# Altium PCB NANO33BLE_V2.0.PcbDoc (part 2 of 2)
Units mm, origin at the board's own origin, x right, y up, seen from the top; angles counter-clockwise.
Board outline 43.18 x 17.78 mm, 4 copper layers (Top, PWR, MID, Bottom), stack 0.925 mm thick; 59 components, 65 nets, 329 pads, 151 vias.
Unrouted connection lines stored in the file: 8.
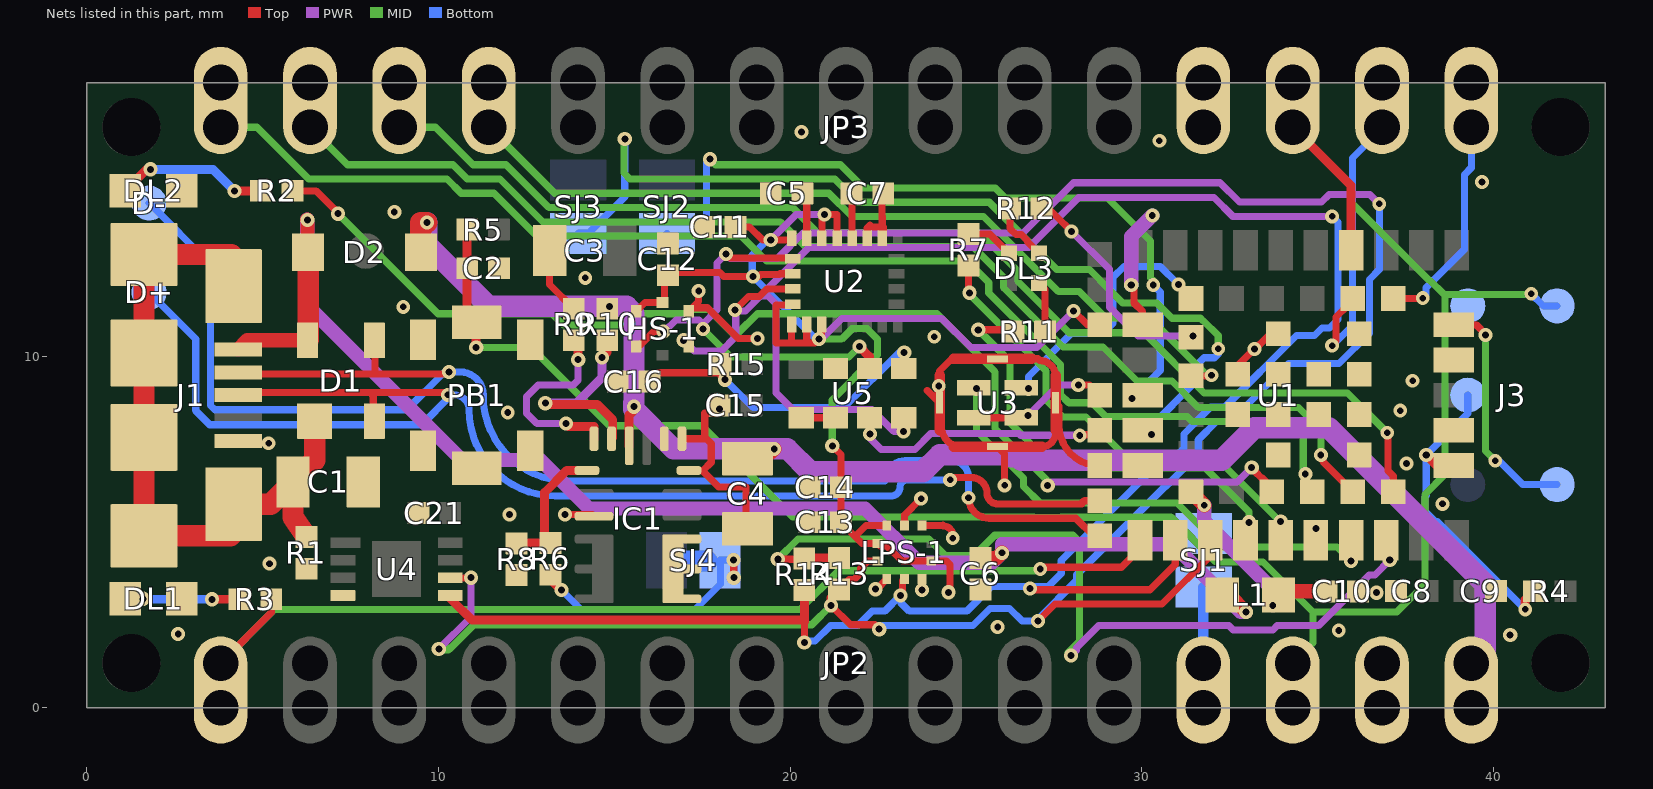
[diagram p4: the nets of this part, all layers, seen from the top]

## Via types
v1: diameter 0.403/0.403/0.403/0.403 (per signal layer), hole 0.2, Top to Bottom, 86 vias
v2: diameter 0.393/0.393/0.393/0.393 (per signal layer), hole 0.19, Top to Bottom, 65 vias

## Nets (pads, with @x,y where several pads share a name; then routed paths per layer and width w, separated by ;. In a path a pad name is that pad's centre, name@x,y a point inside that pad or via, vN(x,y) a via of type N, cw(c..) or ccw(c..) an arc to the next point about the centre after c; other vN are vias at no path point) (continued)
D9~: JP3.12 U1.44 | length 24.1
  Top w0.203: U1.44@31.4,9.44 31.978,9.44 31.98,9.443 v2(31.98,9.455)
  MID w0.203: JP3.12@11.43,16.51 13.31,14.63 21.1,14.63 21.76,13.971 25.496,13.971 27.627,11.839 28.222,11.839 28.977,11.085 30.225,11.085 31.855,9.455 v2(31.98,9.455)
D10~: JP3.13 U1.36 | length 33.6
  Top w0.203: v2(36.978,7.821) 37,7.8 37,7.209 36.999,7.208 36.999,6.742 37.15,6.591 U1.36@37.15,6.14
  MID w0.203: JP3.13@8.89,16.51 9.921,16.51 10.988,15.443 11.922,15.443 13.141,14.224 20.075,14.224 20.475,13.824 20.475,13.815 20.772,13.519 25.373,13.519 26.477,12.414 26.477,12.121 27.932,10.666 30.06,10.666 31.773,8.954 31.947,8.954 31.95,8.95 35.85,8.95 v2(36.978,7.821)
GND: C1.2 C2.2 C3.2 C4.2 C5.1 C6.1 C7.1 C8.2 C9.1 C10.1 C11.1 C12.1 C13.1 C14.1 C15.2 C16.2 C21.2 DL1.C DL2.C HS-1.P$5.GND IC1.3 IC1.12 IC1.13 IC1.14 J1.5 J3.5 JP2.14 JP3.4 LPS-1.3 LPS-1.5 LPS-1.8 LPS-1.9 PB1.1 PB1.2 PB1.3 PB1.4 PB1.5 R1.1 R8.1 R9.1 U1.6 U1.12 U1.14 U1.26 U1.30 U1.53 U1.GND@1 U1.GND@2 U1.GND@3 U1.GND@4 U1.GND@5 U1.GND@6 U1.GND@7 U1.GND@8 U1.GND@9 U1.GND@10 U1.GND@11 U1.GND@12 U2.19 U2.20 U3.GND U3.GND@2 U3.GND@3 U3.GND@4 U4.4 U5.6 | length 38.2
  Top w0.203: C3.2@13.163,13 13.163,12.038 R9.1@13.85,11.35 ; v2(13.6,5.5) 14.375,5.5 IC1.3@14.425,5.45 ; IC1.13@16.925,7.65 17.575,7.65 ; IC1.12@17.125,6.75 17.502,6.75 ; v2(17.4,11.85) 17.4,11.55 HS-1.P$5.GND@17.125,11.275 17.225,11.375 17.651,11.375 18.526,10.5 v2(19.075,10.5) ; C15.2@18,8.6 v1(18,8.5) 17.875,8.375 17.575,8.375 17.575,7.65 ; C4.2@18.788,5.463 C4.2@18.788,5.088 18.75,5.125 18.75,6.283 17.969,6.283 17.502,6.75 ; U2.20@22.195,13.35 22.195,13.645 22.275,13.725 22.325,13.675 22.65,13.675 22.65,13.336 22.615,13.301 22.615,13.975 ; v1(22.425,3.375) 22.462,3.375 LPS-1.3@22.75,3.662 ; U2.19@22.625,13.35 22.625,13.965 22.615,13.975 ; C7.1@22.65,14.625 22.615,14.59 22.615,13.975 ; LPS-1.9@23.25,5.187 23.25,5.475 v2(23.725,5.95) ; LPS-1.8@23.75,5.187 24.338,5.187 ccw(c24.338,5.2) 24.35,5.2 24.35,5.175 cw(c24.35,4.9) 24.625,4.9 v2(24.625,4.825) ; 23.9,9.025 24.25,8.675 ; v2(26.1,6.325) 26.1,7.225 U3.GND@25.9,7.425 ; U1.53@28.8,6.89 28.785,6.89 cw(c28.785,8.025) 27.65,8.025 27.65,8.575 27.55,8.675 ; v1(29.7,12.025) 29.774,11.951 29.774,11.517 30.025,11.266 U1.26@30.025,10.89 ; 32.73,9.49 32.73,9.73 v1(33.2,10.2) 33.311,10.311 33.333,10.311 33.626,10.605 33.626,10.626 33.64,10.64 33.88,10.64 ; 17.502,6.75 17.525,6.75 17.758,6.983 17.758,7.517 17.625,7.65 17.575,7.65 ; 24.25,8.675 ccw(c24.3,8.675) 24.3,8.625 24.3,8 ccw(c24.875,8) 24.875,7.425 U3.GND@25.9,7.425 ; 24.25,8.675 24.25,9.575 24.55,9.875 24.8,9.875 cw(c24.85,9.875) 24.85,9.925 25.9,9.925 27.05,9.925 27.1,9.875 cw(c27.1,9.425) 27.55,9.425 27.55,8.675 ; U3.GND@25.9,7.425 27.15,7.425 ccw(c27.15,7.825) 27.55,7.825 27.55,8.675
  PWR w0.406: v1(29.7,12.025) 29.7,13.4 v2(30.3,14)
  other v1: 40.475,2.075 36.675,3.275 23.75,3.35 34.95,5.1
  other v2: 2.6,2.1 35.6,2.2 25.9,2.3 5.2,4.1 12.025,5.5 38.55,5.8 37.525,6.95 5.175,7.525 11.975,8.4 37.35,8.45 24.225,9.15 37.7,9.3 24.1,10.55 9,11.4 14.175,12.225 8.75,14.1 39.675,14.95 30.5,16.125 20.325,16.375
INT_APDS: U1.52 U5.2 | length 7.5
  Top w0.203: U5.2@22.26,8.25 22.26,7.805 v1(22.275,7.79) ; v2(28.234,7.742) 28.234,7.765 28.675,7.765 U1.52@28.8,7.89
  PWR w0.203: v1(22.275,7.79) 22.275,7.665 22.59,7.35 23.55,7.35 24,7.8 26.5,7.8 26.55,7.75 28.226,7.75 v2(28.234,7.742)
LB: R12.1 U1.43 | length 6.5
  Top w0.203: R12.1@27.15,14.2 27.35,14.2 27.792,13.758 ; 27.793,13.758 v1(28.005,13.546) ; U1.43@31.4,10.54 31.426,10.54 v1(31.456,10.57)
  PWR w0.203: v1(28.005,13.546) 29.08,12.471 29.08,11.39 29.9,10.57 v1(31.456,10.57)
LG: R11.1 U1.4 | length 12.7
  Top w0.203: v1(25.35,10.75) 26.3,10.75 R11.1@26.35,10.7
  Top w0.254: U1.4@32.95,4.765 32.95,5.175 v1(33.05,5.275)
  MID w0.203: v1(25.35,10.75) 26.258,9.842 26.258,8.099 27.25,7.106 28.235,7.106 28.483,6.858 28.48,6.855 28.509,6.826 31.799,6.826 33.05,5.575 v1(33.05,5.275)
LR: R7.1 U1.5 | length 13.4
  Top w0.203: R7.1@25.075,12.575 25.075,11.825 v1(25.1,11.8) ; U1.5@33.95,4.765 v1(33.95,5.292)
  MID w0.203: v1(25.1,11.8) 25.1,11.76 27.281,9.579 27.281,8.865 27.275,8.859 27.275,8.75 27.758,8.267 28.418,8.267 29.452,7.233 31.992,7.233 33.941,5.284 v1(33.95,5.292)
MIC_PWR: U1.51 U3.1 U3.2 | length 4.1
  Top w0.203: U3.1@25.225,8.25 U3.2@26.575,8.25 26.706,8.25 v1(26.764,8.309) ; v1(28.194,9.18) 28.51,9.18 U1.51@28.8,8.89
  PWR w0.203: v1(26.764,8.309) 26.764,8.311 27.633,9.18 v1(28.194,9.18)
MISO~: JP3.15 U1.34 | length 36.8
  Top w0.203: v2(34.65,6.65) 34.65,6.34 U1.34@34.85,6.14
  MID w0.203: JP3.15@3.81,16.51 4.841,16.51 6.314,15.037 10.245,15.037 10.651,14.63 11.585,14.63 12.805,13.411 18.623,13.411 19.328,12.706 25.036,12.706 25.649,12.092 25.649,11.799 27.688,9.761 27.688,8.912 27.926,8.674 28.586,8.674 28.976,8.284 31.293,8.284 31.439,8.137 34.288,8.137 34.589,7.836 34.589,6.711 v2(34.65,6.65)
MOSI: JP3.14 U1.35 | length 34.7
  Top w0.203: v2(35.091,7.19) 35.1,7.2 35.15,7.2 35.15,7 36,6.15 U1.35@36,6.14
  MID w0.203: JP3.14@6.35,16.51 7.417,15.443 10.413,15.443 10.82,15.037 11.754,15.037 12.973,13.818 19.732,13.818 20.438,13.112 25.204,13.112 26.071,12.246 26.071,11.953 27.763,10.26 28.9,10.26 29.864,9.296 30.855,9.296 31.608,8.544 34.456,8.544 35.091,7.909 v2(35.091,7.19)
N$1: C1.1 D1.1 J1.6 J1.7 J1.8 J1.9 J1.10 J1.11 R1.2 | length 20.5
  Top w0.61: J1.11@4.18,11.99 4.18,12.78 4.2,12.8 4.11,12.89 J1.10@1.63,12.89 J1.9@1.63,10.09 J1.8@1.63,7.69 J1.7@1.63,4.89 4.09,4.89 4.2,5 4.18,5.02 J1.6@4.18,5.79 5.232,5.79 C1.1@5.867,6.425 ; R1.2@6.25,4.857 5.867,5.425 C1.1@5.867,6.425 ; D1.1@6.48,8.15 6.48,7.038 C1.1@5.867,6.425
N$2: DL2.A R2.1 | length 4.4
  Top w0.254: DL2.A@1.1,14.7 1.712,15.312 v1(1.813,15.312) ; v1(4.2,14.7) R2.1@4.95,14.7
  Bottom w0.254: v1(1.813,15.312) 3.587,15.312 v1(4.2,14.7)
N$3: DL1.A R3.1 | length 3.3
  Top w0.254: DL1.A@1.1,3.1 v1(1.6,3.1) ; v1(3.563,3.088) R3.1@4.35,3.088
  Bottom w0.254: v1(1.6,3.1) 1.612,3.088 v1(3.563,3.088)
N$4: C5.2 U2.24 | length 1.3
  Top w0.203: C5.2@20.35,14.625 20.475,14.5 U2.24@20.475,13.35
N$5: IC1.1 R6.1 R8.2 | length 3.9
  Top w0.254: R8.2@12.225,4.675 12.346,4.688 R6.1@13.187,4.688 13.018,4.857 13.018,6.118 13.65,6.75 IC1.1@14.225,6.75
N$6: IC1.18 R9.2 | length 5.7
  Top w0.254: v1(13.625,8.088) 13.713,8 14.425,8 IC1.18@14.425,7.65 ; R9.2@13.85,10.45 13.975,10.325 v1(13.975,9.9)
  PWR w0.203: v1(13.625,8.088) 12.8,8.088 12.509,8.378 12.509,8.848 12.837,9.175 13.827,9.175 13.968,9.317 13.968,9.556 13.975,9.563 v1(13.975,9.9)
N$7: IC1.17 R10.1 | length 5.7
  Top w0.254: v1(13.041,8.663) 13.074,8.63 14.518,8.63 14.957,8.191 14.957,7.682 IC1.17@14.925,7.65 ; v1(14.65,9.962) 14.8,10.112 R10.1@14.8,10.45
  PWR w0.254: v1(13.041,8.663) 13.926,8.663 14.65,9.388 v1(14.65,9.962)
N$8: C7.2 U2.21 | length 1.3
  Top w0.203: C7.2@21.75,14.625 21.765,14.61 U2.21@21.765,13.35
N$9: U5.3 U5.4 | length 1
  Top w0.203: U5.4@20.32,8.25 U5.3@21.29,8.25
N$10: R2.2 U1.33 | length 33.8
  Top w0.203: R2.2@5.85,14.7 6.525,14.7 7.15,14.075 v1(7.15,14.05) ; v1(33.125,6.837) 33.225,6.737 33.225,6.714 33.404,6.535 33.427,6.535 33.7,6.262 U1.33@33.7,6.14
  PWR w0.203: v1(27.325,6.325) 27.424,6.424 32.712,6.424 v1(33.125,6.837)
  MID w0.203: v1(7.15,14.05) 9.994,11.206 13.233,11.206 13.555,10.883 15.168,10.883 15.49,11.206 17.089,11.206 17.214,11.331 17.683,11.331 18.366,10.649 18.515,10.649 19.072,11.206 24.178,11.206 25.83,9.554 25.83,7.945 27.325,6.45 v1(27.325,6.325)
N$11: DL3.3 R12.2 | length 1.7
  Top w0.203: R12.2@26.25,14.2 26.25,13.625 26.42,13.455 26.576,13.455 26.755,13.276 26.755,13.245 DL3.3@27.075,12.925
N$12: DL3.2 R7.2 | length 1.4
  Top w0.203: R7.2@25.075,13.475 25.675,13.475 DL3.2@26.225,12.925
N$13: DL3.4 R11.2 | length 1.4
  Top w0.203: DL3.4@27.075,12.075 27.25,11.9 R11.2@27.25,10.7
N$14: JP2.12 SJ1.2 | length 2.2
  Bottom w0.305: JP2.12@31.75,1.27 31.75,3.425 SJ1.2@31.762,3.438
N$15: C16.1 R15.1 U5.8 | length 9.4
  Top w0.203: C16.1@16,9.275 16,9.284 16.242,9.527 18.035,9.527 R15.1@18.025,9.775 18.025,9.456 v1(18.15,9.331) ; U5.8@23.23,9.65 23.23,10.089 v1(23.246,10.104)
  Bottom w0.203: v1(18.15,9.331) 18.944,8.537 21.537,8.537 23.104,10.104 v1(23.246,10.104)
N$16: IC1.7 IC1.8 IC1.9 IC1.20 R6.2 SJ4.2 | length 7.7
  Top w0.203: v1(18.389,4.2) 18.4,4.189 v1(18.4,3.7)
  Top w0.254: R6.2@13.187,3.787 13.187,3.662 v1(13.5,3.35) ; IC1.20@16.675,3.95 IC1.8@17.125,3.95
  Bottom w0.203: v1(13.5,3.35) 14.055,2.795 17.295,2.795 18.025,3.525 SJ4.2@18.025,4.2 ; SJ4.2@18.012,4.2 SJ4.2@18.025,4.2 ; SJ4.2@18.325,4.175 18.364,4.175 v1(18.389,4.2) SJ4.2@18.025,4.2
N$17:  | length 0.9
  Bottom w0.61: 16.75,4.175 17.625,4.175
NFC1: SJ2.1 U1.28 | length 21.9
  Top w0.203: v1(29.725,8.79) 29.875,8.875 30,8.875 U1.28@30.025,8.89
  MID w0.203: v1(17.725,15.6) 17.882,15.443 21.437,15.443 22.096,14.783 25.832,14.783 26.116,14.5 29.025,14.5 30.25,13.275 30.25,12.225 30.325,12.15 v2(30.325,12.025)
  Bottom w0.203: SJ2.1@16.5,13.488 16.563,13.425 17.25,13.425 17.625,13.8 17.625,15.5 v1(17.725,15.6) ; v1(29.725,8.79) 30.525,9.59 30.525,11.825 v2(30.325,12.025)
NFC2: SJ3.1 U1.29 | length 27.3
  Top w0.203: U1.29@30.025,7.89 30.125,7.875 v1(30.28,7.77)
  MID w0.203: v1(15.3,16.175) 15.275,16.175 15.275,15.205 15.443,15.037 21.268,15.037 21.928,14.377 25.664,14.377 27.581,12.46 28.511,12.46 29.098,11.873 29.459,11.511 30.425,11.511 30.86,11.076 31.666,11.076 31.725,11.018 31.743,11.018 32.174,10.586 v2(32.174,10.211)
  Bottom w0.203: SJ3.1@13.975,13.488 13.985,13.498 14.276,13.498 15.3,14.522 v1(15.3,16.175) ; v1(30.28,7.77) 30.28,8.02 31.479,9.219 31.479,9.662 31.773,9.956 32.069,9.956 32.174,10.061 v2(32.174,10.211)
PDMCLK: U1.42 U3.3 | length 7.7
  Top w0.203: U3.3@26.575,9.1 26.6,9.075 v1(26.775,9.075) ; v1(31.04,12.035) 31.023,12.018 U1.42@31.4,11.64
  Bottom w0.203: v1(26.775,9.075) 26.775,9.425 28,10.65 28.9,10.65 29.183,10.933 29.183,12.242 29.492,12.551 30.524,12.551 v1(31.04,12.035)
PDMDIN: U1.7 U3.4 | length 14.2
  Top w0.203: U3.4@25.225,9.1 25.275,9.1 v1(25.3,9.075) ; v1(35.95,4.175) U1.7@35.95,4.765
  MID w0.203: v1(25.3,9.075) 25.3,7.875 26.638,6.538 26.638,6.296 27.115,5.819 27.535,5.819 27.541,5.825 30.65,5.825 31.003,5.825 32.253,4.575 35.55,4.575 v1(35.95,4.175)
R_PULLUP: R13.2 R14.2 U1.8 | length 25.4
  Top w0.203: v1(19.65,4.225) 20.38,4.225 R14.2@20.405,4.25 ; U1.8@36.95,4.765 36.95,4.3 v1(37.05,4.2)
  Top w0.254: R14.2@20.405,4.25 20.418,4.263 R13.2@21.395,4.263
  PWR w0.203: v1(27.99,1.485) 28.143,1.639 28.143,1.712 28.768,2.337 32.482,2.337 32.602,2.217 33.728,2.217 33.848,2.337 35.021,2.337 36.465,3.781 36.631,3.781 v1(37.05,4.2)
  MID w0.203: v1(19.65,4.225) 20.225,4.8 23.941,4.8 24.417,4.324 25.232,4.324 25.817,4.909 28.041,4.909 28.225,4.725 28.225,1.9 27.9,1.575 v1(27.99,1.485)
RESETN: C2.1 J3.6 JP2.13 JP3.3 PB1.6 R5.1 U1.19 | length 58.2
  Top w0.254: R5.1@10.82,13.6 C2.1@10.82,12.5 10.82,11.235 PB1.6@11.09,10.965 11.075,10.95 v1(11.075,10.25) ; JP3.3@34.29,16.51 35.95,14.85 U1.19@35.95,13.015
  MID w0.203: v1(11.075,10.25) 12.64,10.25 14.87,8.02 17.486,8.02 20.075,5.431 26.928,5.431 26.947,5.412 27.703,5.412 27.71,5.419 30.835,5.419 32.085,4.169 32.132,4.169 32.15,4.15 33.446,4.15 34.872,2.725 ; JP2.13@34.29,1.27 34.872,1.852 34.872,2.725 ; JP3.3@34.29,16.51 35.95,14.85 35.95,14.376 38.175,12.151 38.195,12.151 38.589,11.758 38.616,11.758 ; v2(41.075,11.775) 41.05,11.75 41.042,11.758 38.616,11.758 ; 34.872,2.725 37.25,2.725 38.05,3.525 38.05,5.591 38.049,5.592 38.049,6.07 38.616,6.638 38.616,11.758
  Bottom w0.203: v2(41.075,11.775) 41.42,11.43 J3.6@41.808,11.43
RX: JP3.2 U1.38 | length 8.4
  Top w0.203: v2(35.412,10.3) 35.525,10.413 35.525,11.116 35.704,11.295 35.72,11.295 36,11.575 U1.38@36,11.64
  Bottom w0.203: v2(35.412,10.3) 35.987,10.875 35.987,15.638 36.83,16.48 JP3.2@36.83,16.51
SCK: JP2.1 R3.2 U1.1 | length 30.1
  Top w0.203: JP2.1@3.81,1.27 5.25,2.71 R3.2@5.25,3.088 ; v2(27.112,3.95) 27.163,4 29.423,4 29.95,4.528 U1.1@29.95,4.765
  MID w0.203: JP2.1@3.81,1.27 5.334,2.794 20.28,2.794 21.386,3.9 27.062,3.9 v2(27.112,3.95)
SCL1: HS-1.P$2.SCL/SPC LPS-1.2 R13.1 U1.3 U2.2 U4.6 U5.7 | length 78.6
  Top w0.203: U4.6@10.338,3.695 10.925,3.695 v1(10.925,3.7) ; HS-1.P$2.SCL/SPC@15.625,10.275 15.7,10.275 16.125,10.7 v1(16.4,10.7) ; v1(18.175,12.9) 18.28,12.795 20.05,12.795 U2.2@20.075,12.77 ; v1(21.164,2.912) 21.714,2.362 22.408,2.362 v1(22.533,2.237) ; R13.1@21.395,3.362 21.68,3.648 21.826,3.648 22.01,3.832 22.01,3.977 22.207,4.175 LPS-1.2@22.487,4.175 ; v1(27.05,2.467) 27.533,2.95 30.575,2.95 31.95,4.325 U1.3@31.95,4.765
  Top w0.254: v1(21.164,2.912) 21.164,3.132 R13.1@21.395,3.362 ; v1(21.975,10.275) 21.975,10.267 22.255,9.987 22.255,9.655 U5.7@22.26,9.65
  PWR w0.203: v1(10.012,1.675) 10.925,2.587 v1(10.925,3.7) ; v1(16.4,10.7) 16.425,10.7 16.757,11.031 17.41,11.031 v1@17.523,10.918 ; v1(17.523,10.775) v1@17.523,10.918 ; v2(36.754,14.329) 36.491,14.591 35.32,14.591 35.11,14.381 32.777,14.381 32.228,14.931 28.057,14.931 26.625,13.5 20.366,13.5 19.648,12.781 18.294,12.781 v1(18.175,12.9) 17.924,12.648 17.924,11.318 v1@17.523,10.918
  MID w0.203: 10.275,1.675 10.326,1.675 11.013,2.362 20.614,2.362 v1(21.164,2.912) ; v1(17.523,10.775) 18.322,9.977 21.677,9.977 v1(21.975,10.275)
  MID w0.254: v1(10.012,1.675) 10.275,1.675
  Bottom w0.203: v1(22.533,2.237) 22.639,2.343 25.203,2.343 25.685,2.825 26.242,2.825 26.6,2.467 v1(27.05,2.467) 27.05,2.526 28.151,3.628 28.151,3.783 30.669,6.301 30.685,6.301 31.605,7.221 31.605,7.621 32.125,8.141 32.524,8.141 34.173,9.789 35.611,9.789 36.473,10.651 36.473,12.182 36.754,12.462 v2(36.754,14.329)
SDA1: HS-1.P$4.SDA/SDI/SDO LPS-1.4 R14.1 U1.2 U2.4 U4.5 U5.1 | length 71.7
  Top w0.203: U4.5@10.338,3.115 U4.5@10.4,3.052 ; v1(16.975,10.45) 17.125,10.45 HS-1.P$4.SDA/SDI/SDO@17.125,10.275 ; v1(18.43,11.312) 18.817,11.7 19.125,11.7 19.335,11.91 U2.4@20.075,11.91 ; v1(20.405,1.856) 20.405,2.6 ; v1(23.135,3.194) 23.2,3.259 23.2,3.612 LPS-1.4@23.25,3.662 ; v1(23.225,7.856) 23.23,7.861 U5.1@23.23,8.25 ; v1(26.818,3.394) 26.856,3.356 30.231,3.356 30.95,4.075 U1.2@30.95,4.765
  Top w0.254: U4.5@10.338,3.115 U4.5@10.338,3.195 ; U4.5@10.4,3.052 10.959,2.493 20.368,2.493 ; 20.367,2.493 20.405,2.455 20.405,2.6 R14.1@20.405,3.35
  PWR w0.203: v1(16.975,10.45) 17.275,10.15 18.05,10.15 18.455,10.555 18.455,11.288 v1(18.43,11.312) 18.43,11.288 18.729,11.288 19.154,11.712 ; v1(23.225,7.856) 22.95,7.856 22.328,8.478 20.081,8.478 19.6,8.959 19.6,11.481 19.369,11.712 19.154,11.712 ; v2(35.412,13.975) 32.584,13.975 32.051,14.508 28.208,14.508 26.794,13.094 20.535,13.094 19.154,11.712
  Bottom w0.203: v1(20.405,1.856) 20.394,1.856 20.35,1.9 20.711,1.9 21.148,2.337 21.917,2.337 22.33,2.749 22.691,2.749 v1(23.135,3.194) 23.135,3.005 23.391,2.749 25.026,2.749 25.725,3.449 v1@26.85,3.449 ; v1(26.818,3.394) 26.85,3.425 v1@26.85,3.449 ; v2(35.412,13.975) 35.581,13.806 35.581,11.043 35.339,10.801 35.123,10.801 34.908,10.586 34.395,10.586 32.356,8.547 31.957,8.547 31.199,7.789 31.199,7.389 30.667,6.857 30.376,6.857 27.709,4.191 27.709,3.82 27.338,3.449 v1@26.85,3.449
SWCLK: J3.3 R4.1 U1.11 | length 9.3
  Top w0.254: v1(38.088,7.187) 38.385,6.89 U1.11@38.875,6.89 ; v2(40.9,2.8) 40.9,3.068 R4.1@41.15,3.317
  Bottom w0.203: J3.3@39.268,8.89 39.268,8.368 v1(38.088,7.187) 38.088,6.046 38.049,6.008 38.049,5.592 38.342,5.299 38.401,5.299 v2(40.9,2.8)
SWDIO: J3.2 U1.15 | length 6.8
  Top w0.203: U1.15@38.875,10.89 39.51,10.89 39.775,10.625 v2(39.775,10.6)
  MID w0.203: v2(39.775,10.6) 39.775,7.3 v2(40.05,7.025)
  Bottom w0.203: v2(40.05,7.025) 40.157,7.025 40.832,6.35 J3.2@41.808,6.35
TX: JP3.1 U1.37 | length 6.3
  Top w0.203: U1.37@37.15,11.64 37.978,11.64 v2(37.987,11.65)
  Bottom w0.203: v2(37.987,11.65) 38.083,11.745 38.083,11.947 39.174,13.038 39.174,15.158 39.37,15.354 JP3.1@39.37,16.51
USB_N: D1.3 D-.X J1.2 U1.55 | length 42.8
  Top w0.203: J1.2@4.305,9.54 4.355,9.49 8.14,9.49 ; D1.3@8.18,10.45 8.2,10.43 8.2,9.55 8.14,9.49 ; v2(10.3,9.55) 10.24,9.49 8.14,9.49 ; v2(25.075,5.975) ccw(c25.66,5.975) 25.66,5.39 28.125,5.39 28.625,4.89 U1.55@28.8,4.89
  Bottom w0.203: D-.X@1.778,14.351 3.525,12.604 3.525,8.6 3.65,8.475 9.1,8.475 10.175,9.55 v2(10.3,9.55) 10.625,9.55 cw(c10.625,8.9) 11.275,8.9 11.275,8.875 ccw(c13.7,8.875) 13.7,6.45 22.7,6.45 cw(c23.275,6.45) 23.275,7.025 24.6,7.025 cw(c24.6,6.55) 25.075,6.55 v2(25.075,5.975)
USB_P: D1.2 D+.X J1.3 U1.54 | length 39.5
  Top w0.203: J1.3@4.305,8.89 4.38,8.965 8.06,8.965 ; D1.2@8.18,8.15 8.15,8.18 8.15,8.875 8.06,8.965 ; v2(10.275,8.9) 10.21,8.965 8.06,8.965 ; v2(24.55,6.483) cw(c24.617,6.483) 24.617,6.55 25.15,6.55 cw(c25.15,6.1) 25.6,6.1 ccw(c25.9,6.1) 25.9,5.8 28.3,5.8 cw(c28.39,5.8) 28.39,5.89 U1.54@28.8,5.89
  Bottom w0.203: D+.X@1.778,11.811 3.1,10.489 3.1,8.45 3.5,8.05 9.525,8.05 10.325,8.85 v2(10.275,8.9) 10.45,8.9 cw(c10.45,8.475) 10.875,8.475 ccw(c13.325,8.475) 13.325,6.025 22.875,6.025 ccw(c22.875,6.275) 23.125,6.275 cw(c23.333,6.275) 23.333,6.483 v2(24.55,6.483)
VBUS: C10.2 L1.2 SJ1.1 U1.31 | length 6.8
  Top w0.406: U1.31@31.4,6.14 31.4,6.137 v2(31.775,5.762) ; v2(33.725,2.913) 33.725,3.05 L1.2@33.888,3.213 33.987,3.312 C10.2@35.25,3.312
  PWR w0.406: v2(31.775,5.762) 31.775,5.312 33.725,3.362 v2(33.725,2.913)
  Bottom w0.305: SJ1.1@31.762,4.962 31.762,5.75 v2(31.775,5.762)
VDD_ENV: C11.2 C12.2 C13.2 C14.2 HS-1.P$1.VDD HS-1.P$6.CS LPS-1.1 LPS-1.6 LPS-1.10 U1.49 U2.1 U2.3 U2.5 U2.6 U2.7 U2.8 U2.22 U2.23 | length 41.4
  Top w0.203: HS-1.P$1.VDD@15.625,11.275 15.875,11.525 HS-1.P$6.CS@16.375,11.525 16.425,11.525 16.425,12.2 C12.2@16.525,12.3 16.6,12.375 18.009,12.375 18.116,12.268 v1(18.949,12.268) 19.118,12.268 19.167,12.316 19.69,12.316 19.714,12.34 19.712,12.341 20.074,12.341 U2.3@20.075,12.34 ; C11.2@18.45,13.675 18.85,13.675 19.225,13.3 v1(19.45,13.3) 19.995,13.3 U2.1@20.045,13.35 ; U2.6@20.045,10.9 20.045,10.38 ; U2.5@20.075,11.48 20.045,11.45 19.6,11.45 19.6,10.375 20.045,10.375 20.045,10.38 ; U2.7@20.475,10.9 20.475,10.375 ; U2.8@20.905,10.9 20.895,10.9 20.895,10.559 v1(20.82,10.483) 20.711,10.375 20.475,10.375 ; U2.23@20.905,13.35 20.905,13.974 20.969,14.038 v1(20.981,14.025) 21.335,14.025 U2.22@21.335,13.35 ; v1(21.2,7.45) 21.45,7.2 C14.2@21.45,6.275 C13.2@21.45,5.275 21.85,4.875 ; LPS-1.10@22.75,5.187 22.163,5.187 21.85,4.875 ; v1(24.503,3.285) 24.55,3.332 24.55,4.075 24.45,4.175 LPS-1.6@24.012,4.175 23.181,4.175 22.751,4.605 22.558,4.605 22.487,4.675 22.05,4.675 21.85,4.875 ; v1(28.06,11.285) 28.455,10.89 U1.49@28.8,10.89 ; 20.045,10.38 20.05,10.375 20.475,10.375
  PWR w0.203: v1(19.45,13.3) 20.175,14.025 v1(20.981,14.025) ; v1(20.82,10.483) 20.82,10.431 20.825,10.425 21.475,11.075 24.309,11.075 25.14,10.244 27.018,10.244 v1(28.06,11.285)
  MID w0.203: v1(20.82,10.483) 21.467,10.483 21.765,10.781 22.185,10.781 22.481,10.485 22.481,10.037 21.2,8.756 v1(21.2,7.45)
  Bottom w0.203: v1(19.45,13.3) 19.35,13.3 18.925,12.875 18.925,12.293 v1(18.949,12.268) 20.735,10.483 v1(20.82,10.483)
VIN: C4.1 D2.C IC1.16 JP2.15 R10.2 | length 43
  Top w0.203: v1@15.55,8.45 15.55,8.553 v1(15.56,8.563)
  Top w0.254: IC1.16@15.425,7.45 15.425,8.325 v1@15.55,8.45
  Top w0.406: R10.2@14.8,11.35 v1(14.863,11.412) ; C4.1@18.788,7.088 19.275,7.088 v2(19.55,7.362)
  Top w0.61: D2.C@9.505,12.95 9.505,13.8 v1(9.675,13.8)
  PWR w0.61: v1(9.675,13.8) 9.675,13.175 11.438,11.412 v1(14.863,11.412) 15.362,11.412 15.563,11.213 15.563,8.678 15.56,8.676 v1(15.56,8.563) 15.56,8.488 16.686,7.362 v2(19.55,7.362) 19.925,7.362 20.575,6.712 23.775,6.712 24.252,7.19 26.248,7.19 26.297,7.14 26.472,7.14 26.575,7.038 28.613,7.038 28.614,7.036 32.273,7.036 33.2,7.962 35.315,7.962 39.762,3.516 39.762,1.672 39.37,1.28 JP2.15@39.37,1.27
VUSB: C6.2 D1.4 D2.A J1.1 L1.1 | length 42.9
  Top w0.406: J1.1@4.305,10.19 4.565,10.45 D1.4@6.28,10.45 6.28,13.87 v1(6.275,13.875) ; C6.2@25.412,4.263 25.88,4.263 v2(26.025,4.407) ; L1.1@32.287,3.213 32.475,3.213 v2(32.963,2.725)
  Top w0.61: D1.4@6.28,10.45 6.295,10.465 D2.A@6.295,12.95
  PWR w0.406: v1(6.275,13.875) 6.275,11.438 10.662,7.05 12.903,7.05 14.282,5.671 22.129,5.671 23.675,4.125 25.742,4.125 v2(26.025,4.407) 26.025,4.65 30.887,4.65 32.812,2.725 v2(32.963,2.725)
pads on no net: FD1.P$1 HS-1.P$3.DRDY IC1.2 IC1.4 IC1.5 IC1.6 IC1.10 IC1.11 IC1.15 IC1.19 J1.4 LPS-1.7 U1.13 U1.32 U1.45 U1.46 U2.9 U2.10 U2.11 U2.12 U2.13 U2.14 U2.15 U2.16 U2.17 U2.18 U4.1 U4.2 U4.3 U4.7 U4.9

## Polygon pours and split planes (outlines as drawn)
GND on Bottom "Polygon_1_Net_GND" (solid, remove dead copper, pour order 2): -0.127,18.127 43.307,18.127 43.307,13.773 39.877,13.773 39.877,3.927 43.307,3.927 43.307,-0.127 -0.127,-0.127
N$16 on Top "Polygon_1_Net_N$16" (solid, remove dead copper, pour order 3): 16.569,2.898 19.127,2.898 19.239,3.01 19.239,4.614 18.14,4.614 17.74,5.014 16.423,5.014 16.423,4.54 16.41,4.528 16.41,3.022 16.5,2.933
GND on Top "Polygon_2_Net_GND" (solid, remove dead copper, pour order 4): -0.127,18.127 43.097,18.127 43.302,18.334 43.302,13.748 39.952,13.748 39.878,3.927 43.307,3.927 43.307,-0.127 -0.127,-0.127
GND on MID "Polygon_3_Net_GND" (solid, remove dead copper, pour order 0): -0.049,18.127 43.307,18.127 43.307,13.773 39.877,13.773 39.902,-0.127 -0.127,-0.127 -0.127,17.816
+3V3 on PWR "Polygon_1_Net_+3V3" (solid, remove dead copper, pour order 1): -0.127,18.127 43.307,18.127 43.307,13.773 39.877,13.773 39.877,3.927 43.307,3.927 43.307,3.025 43.307,0.025 43.307,-0.127 -0.127,-0.127

## Keep-outs
Top:
  lines w0.203: 23.5,5.125 23.5,5.35
Keep-Out Layer:
  the board outline again, w0.01

## Other copper
PWR:
  pour cut-out net 33: 20.275,12.975 22.75,12.975 22.75,11.05 20.275,11.05 20.275,12.975
Bottom:
  pour cut-out net 33: 20.3,12.975 22.75,12.975 22.75,11.05 20.3,11.05 20.3,12.975

## Silkscreen, mask and mechanical layers (free items; w line width, h text height)
Bottom Solder:
  lines w0.813: 16.6,4.175 17.925,4.175
Dimension:
  the board outline again, w0.01
bDocu:
  region: 3.675,8.625 3.675,13.625 8.675,13.625 8.675,8.625
test-probe:
  circle w0.61: c27.385,14.725 r0.2
  circle w0.61: c24.845,14.725 r0.2
  circle w0.61: c27.385,10.345 r0.2
  circle w0.61: c24.845,10.345 r0.2
  circle w0.61: c22.305,10.345 r0.2
  circle w0.61: c8.105,11.645 r0.2
  circle w0.61: c8.105,13.945 r0.2
  circle w0.61: c5.705,13.945 r0.2
  circle w0.61: c5.705,11.645 r0.2
  circle w0.61: c14.1,7.945 r0.2
  circle w0.61: c16.505,7.945 r0.2
  text "5V" at 23.05,25.6 h2.76 r90
  text "VIN(5V)" at 25.59,25.6 h2.76 r90
  text "VCC" at 28.13,25.6 h2.76 r90
  text "GND" at 30.67,25.6 h2.76 r90
  text "RESET" at 33.21,25.6 h2.76 r90
  text "14" at 35.75,25.6 h2.76 r90
  text "13" at 38.29,25.6 h2.76 r90
  text "12" at 40.83,25.6 h2.76 r90
  text "11" at 43.37,25.6 h2.76 r90
  text "10" at 45.91,25.6 h2.76 r90
  text "9" at 48.45,25.6 h2.76 r90
  text "8" at 50.99,25.6 h2.76 r90
  text "7" at 53.53,25.6 h2.76 r90
  text "6" at 56.07,25.6 h2.76 r90
  text "SWCLK" at 25.59,15.44 h2.76 r90
  text "SWDIO" at 28.13,15.44 h2.76 r90
  text "USB_5V" at 6,14.8 h2.76 r90
  text "USB_D-" at 9.1,14.7 h2.76 r90
  text "BATT+" at 14.9,8.6 h2.76 r90
  text "BATT-" at 17.4,8.6 h2.76 r90
  text "VTG" at 27.843,5.257 h2.76 r90
  text "JRST" at 25.303,4.052 h2.76 r90
  text "JGND" at 22.763,3.982 h2.76 r90
  text "USB_D+" at 9.1,1.1 h2.76 r90
  text "USB_GND" at 6.2,-1.3 h2.76 r90
  text "4" at 53.38,-1.612 h2.76 r90
  text "0" at 43.22,-1.615 h2.76 r90
  text "1" at 45.779,-1.617 h2.76 r90
  text "2" at 48.335,-1.668 h2.76 r90
  text "3" at 50.84,-1.682 h2.76 r90
  text "5" at 55.885,-1.682 h2.76 r90
  text "A4" at 35.6,-3.288 h2.76 r90
  text "A0" at 25.44,-3.309 h2.76 r90
  text "A1" at 27.999,-3.309 h2.76 r90
  text "A2" at 30.555,-3.293 h2.76 r90
  text "A3" at 33.06,-3.339 h2.76 r90
  text "A5" at 38.105,-3.339 h2.76 r90
  text "A6" at 40.68,-3.368 h2.76 r90
  text "AREF" at 22.798,-6.392 h2.76 r90

## Dimensions
0,22.75 to 67.6,22.75 on tFinish

## Text inside footprints (layer, text, board x,y; h text height)
DL3: tDocu "B" at 27.9,13.125 h0.63 r180; tDocu "G" at 27.9,11.875 h0.63 r180; tDocu "R" at 25.4,13.125 h0.63 r180; tDocu "A" at 25.4,11.875 h0.63 r180
FRAME1: Reference "This work is licensed under a Creative Commons Attribution-ShareAlike 4.0 International License." at -78.89,-28.75 h1.28; Reference "ARDUINO and other Arduino brands and logos and Trademarks of Arduino SA. All Arduino SA Trademarks cannot be used without owner's formal permission" at -78.89,-24.25 h1.28; Reference "The product information on the Web Site or Materials is subject to change without notice. Do not finalize a design with this info" at -78.89,-19.749 h1.28; Reference "these for future definition and shall have no responsibility whatsoever for conflicts or incompatibilities arising from future changes to them." at -78.89,-17.499 h1.28; Reference "rely on the absence or characteristics of any features or instructions marked \"reserved\" or \"undefined.\" Arduino SA reserves" at -78.89,-15.249 h1.28; Reference "Arduino SA may make changes to specifications and product descriptions at any time, without notice. The Customer must not" at -78.89,-12.999 h1.28; Reference "REGARDING PRODUCTS, INCLUDING BUT NOT LIMITED TO, ANY IMPLIED WARRANTIES OF MERCHANTABILITY OR FITNESS FOR A PARTICULAR PURPOSE" at -78.89,-8.498 h1.28; Reference "Reference Designs ARE PROVIDED \"AS IS\" AND \"WITH ALL FAULTS. Arduino SA DISCLAIMS ALL OTHER WARRANTIES, EXPRESS OR IMPLIED," at -78.89,-6.248 h1.28
U2: tDocu "Z" at 21.904,12.188 h0.46 r180; tDocu "Y" at 20.979,11.478 h0.46 r180; tDocu "X" at 22.153,12.682 h0.46